# KiCad board FC_V5a.kicad_pcb (continued)
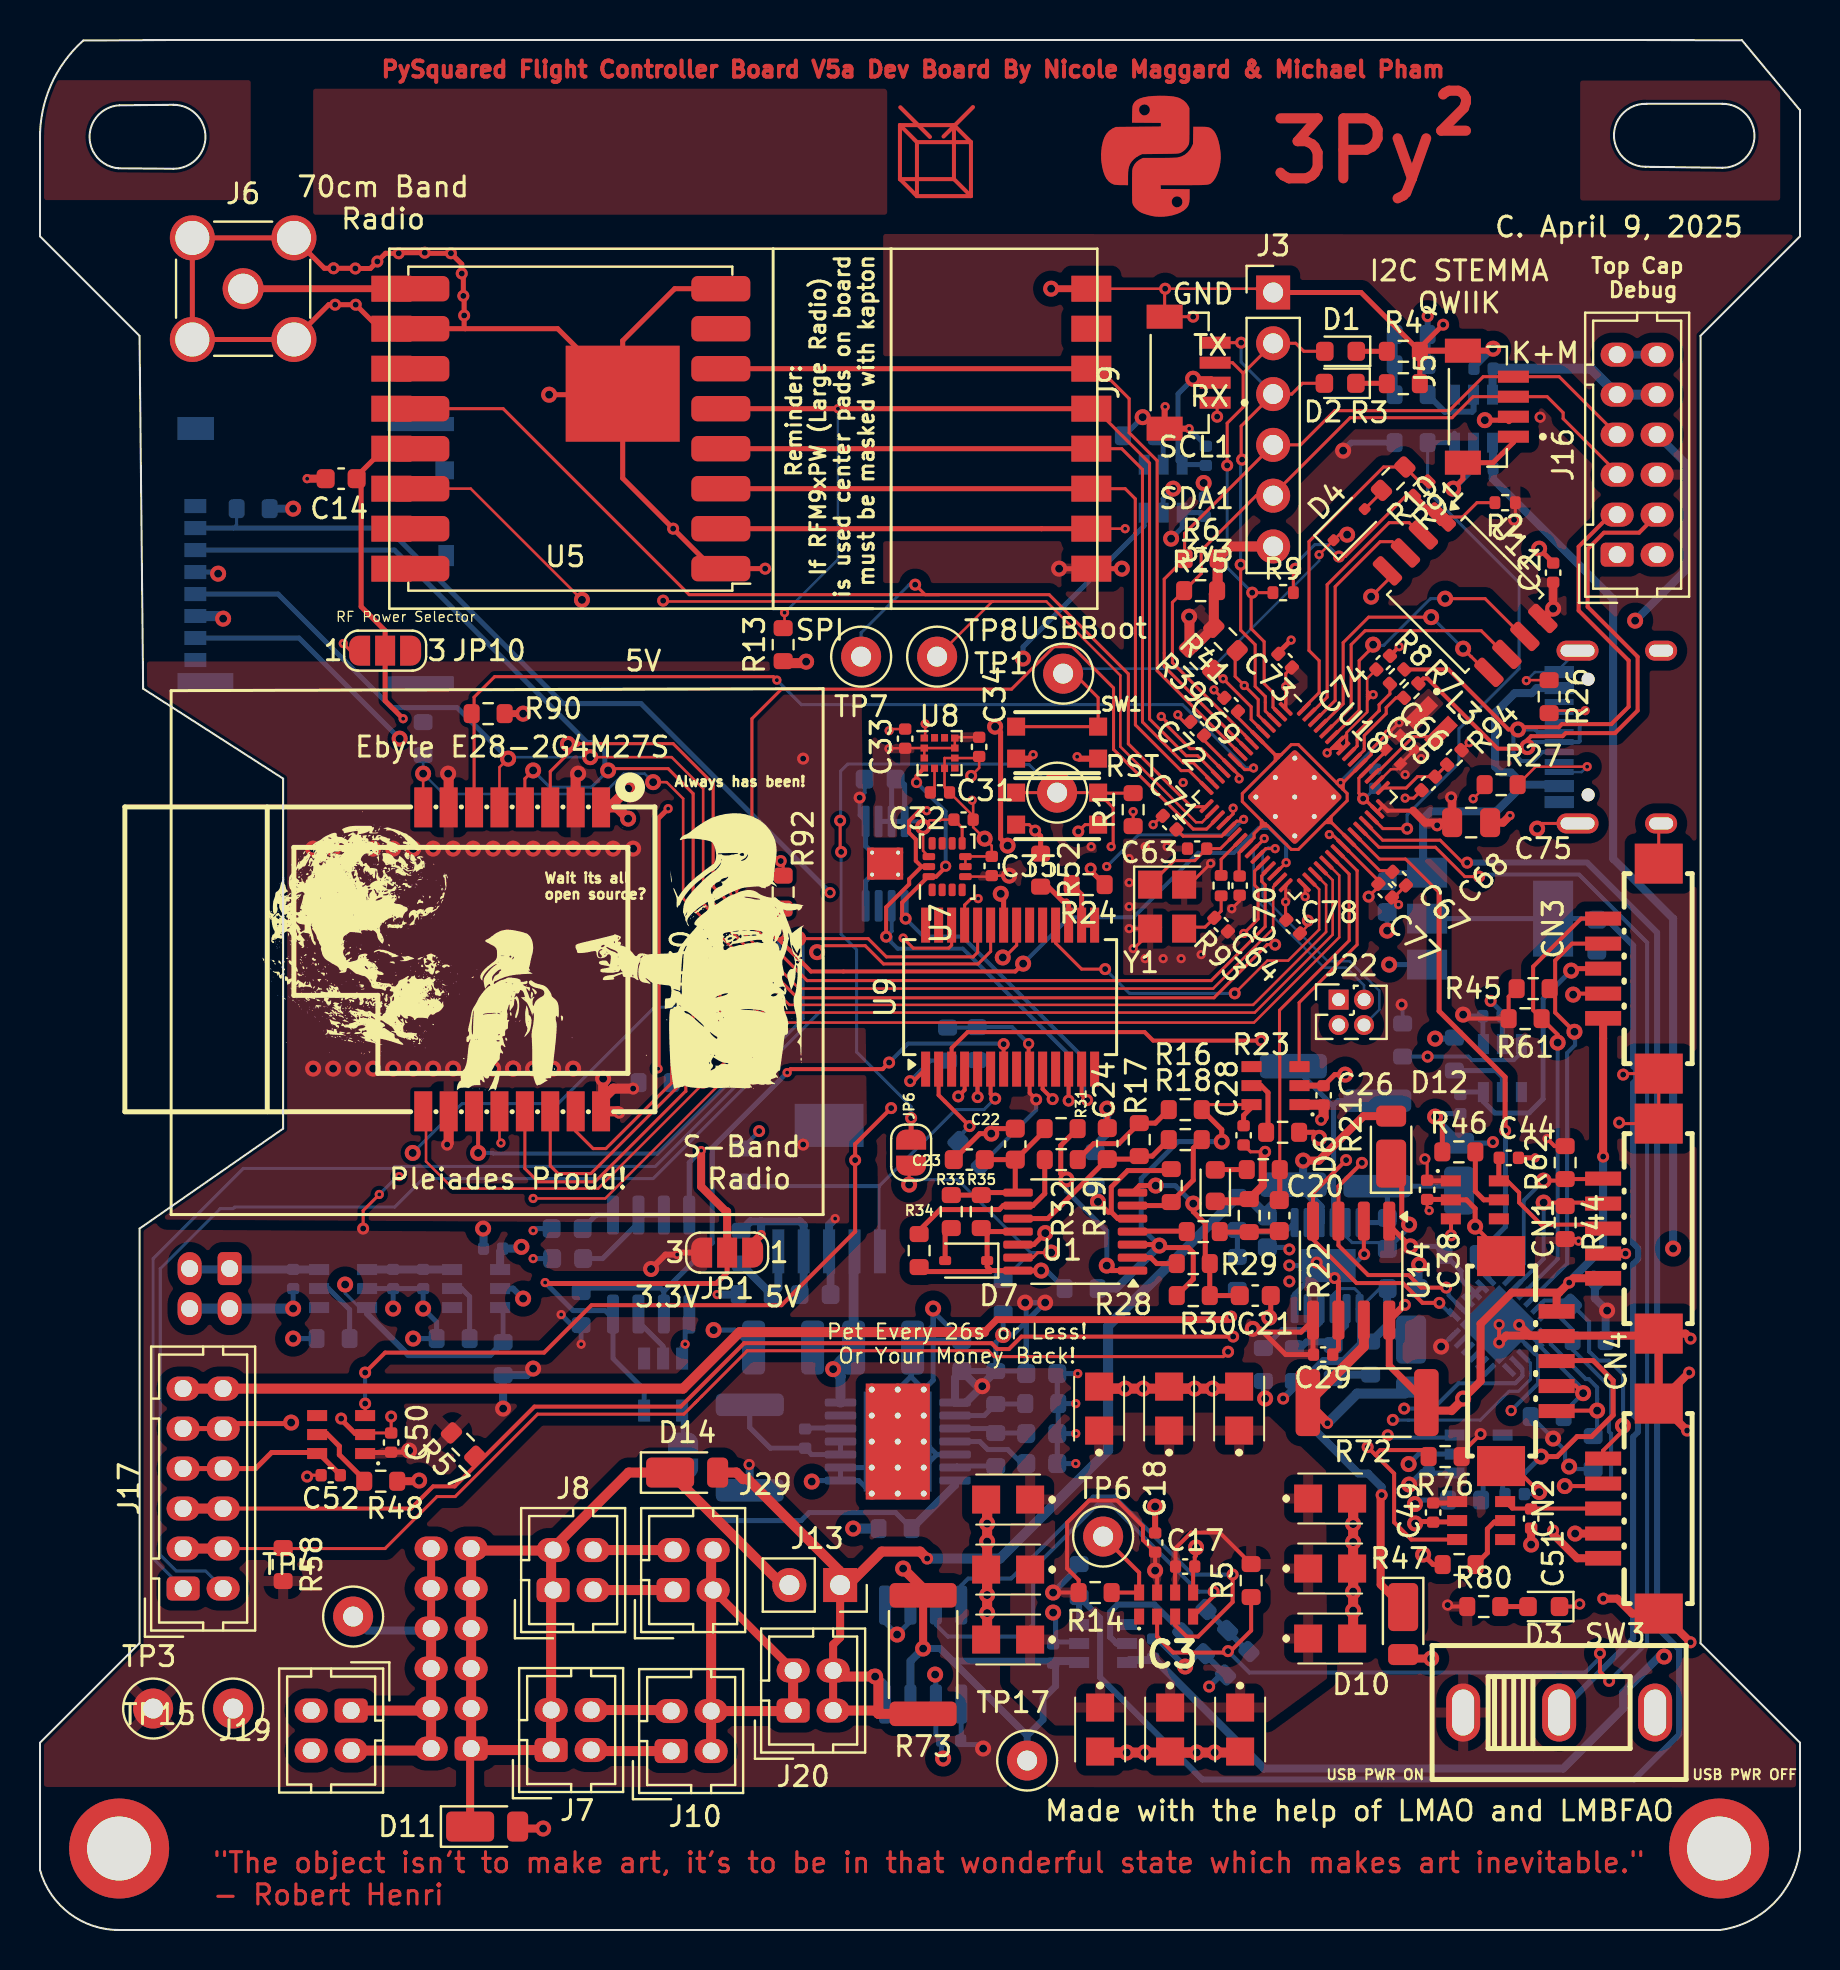
[diagram p0: board, top side]
## Routing (per net, layer and track width the routed paths; a pad name or vN(x,y) marks a point on that pad's centre or on a via; arc(x,y) is an arc through that point) (continued)
RF2_TX_EN: length 58.9
  Top w0.127: U18.34 64.63,52.5 64.63,49.77 60.73,45.87 36.71,45.87 27.91,37.07 20.66,37.07 19.3,38.43 19.3,40.8 U30.9
  Bottom w0.152: R95.1 v2(33.16,42.37)
RF_VCC: length 79.9
  Top w0.25: v3(30.91,43.07) 30.91,55.57 v3(31.41,56.07) ; U5.13 17.57,74.07 U4.5 17.22,74.07 16.06,72.91 16.06,66.17 17.26,64.97 JP10.2 17.26,61.47 v3(18.16,60.57) ; v3(25.26,32.37) 25.3,32.33 33.81,32.33 34.36,32.87 JP1.2
  Top w0.4: v3(33.06,38.97) 33.06,37.17 34.3,35.93 34.36,35.93 JP1.2
  In2.Cu w0.25: v3(31.41,56.07) 31.41,57.67 28.98,60.1 18.63,60.1 v3(18.16,60.57) ; v3(33.06,38.97) 33.06,40.92 v3(30.91,43.07)
  Bottom w0.25: v3(25.26,32.37) 26.66,30.97 28.26,30.97 28.43,30.8 28.65,30.8 28.65,28.58 30.21,27.02 U20.5 ; U17.8 32.46,38.38 v3(33.06,38.97)
RTC_INT: length 84.1
  Top w0.152: U18.41 66.95,54.14 69.77,54.14 71.24,52.67 v2(71.96,52.67)
  Top w0.2: 59.61,14.02 60.56,14.97 R5.1 60.56,16.67 ; 59.61,14.02 59.46,13.87 56.66,13.87 55.86,14.67 IC3.2 ; 59.61,14.02 59.53,13.94 v2(59.4,13.94) ; v2(78,13.83) 78,12.91 v2(78.46,12.46)
  Bottom w0.2: v2(78.46,12.46) 80.36,14.36 80.36,49.37 76.96,52.78 72.06,52.78 v2(71.96,52.67) ; v2(78,13.83) 78,13.61 77.26,12.87 60.47,12.87 v2(59.4,13.94)
RX: length 25
  Top w0.152: U18.3 61.26,60.96 61.26,61.68 60.76,62.19 60.76,64.27 60.03,65 v2(60.03,68.27) ; v2(60.06,79.37) J9.4 ; v2(60.1,73.53) 60.06,73.57 60.06,75.2 J3.3 62.59,76.8 63.13,77.34 D2.2
  Bottom w0.152: J3.3 60.06,78.4 v2(60.06,79.37) ; v2(60.03,68.27) 60.03,73.46 v2(60.1,73.53)
SCL0: length 38.9
  Top w0.152: U18.8 56.21,63.18 56.21,67.55 R6.1 57.23,69.84 J3.4 63.03,74.26 64.74,75.97 70.46,75.97 72.16,77.67 J5.4 75.96,77.67 J16.7
SCL1: length 123.2
  Top w0.127: R39.1 59.06,62.57 v3(59.16,62.57) ; v3(44.26,60.31) 44.26,59.65 U8.1
  Top w0.152: v3(59.16,62.57) 60.56,61.17 60.56,60.53 U18.5
  Top w0.2: IC3.3 56.76,15.25 57.33,14.67 57.91,14.67 59.63,16.4 v2(59.63,17.77) ; 44.08,53.17 43.46,52.55 43.46,52.29 42.31,51.14 v2(42.31,49.67) ; 44.08,53.17 43.79,53.46 43.79,54.54 43.45,54.87 43.45,55.45 43.97,55.97 v3(44.33,55.97) ; 44.08,53.17 U7.13 ; v2(69.97,31.36) 69.13,31.36 68.14,32.35 65.83,32.35 63.65,34.53 U14.4 63.65,36.85 v2(65.31,38.5) ; v2(51.43,41.47) U9.12
  In2.Cu w0.127: v3(44.33,55.97) 42.93,57.37 42.93,58.99 v3(44.26,60.31) 45.45,61.51 55.09,61.51 56.15,62.57 v3(59.16,62.57)
  In2.Cu w0.2: v2(69.97,31.36) 68.81,30.2 68.81,25.3 61.28,17.77 v2(59.63,17.77) ; v2(65.31,38.5) 64.51,37.7 58.11,37.7 57.08,38.72 54.18,38.72 v2(51.43,41.47)
  Bottom w0.2: v2(59.63,17.77) 57.62,17.77 53.72,21.67 52.66,21.67 48.56,17.58 46.41,17.58 46.06,17.22 46.06,16.25 ; U12.19 70.55,30.77 v2(69.97,31.36) ; v2(51.43,41.47) 51.43,43.78 46.14,49.07 42.88,49.07 42.53,49.43 42.53,49.67 v2(42.31,49.67) 42.58,49.95 U16.2
SDA0: length 37.7
  Top w0.152: U18.7 60.59,59.4 60.23,59.76 60.23,59.76 56.62,63.37 56.62,66.39 R25.1 58.06,67.82 58.06,68.97 60.81,71.72 J3.5 61.66,71.77 65.5,75.62 70.6,75.62 71.66,76.67 J5.3 75.36,76.67 76.16,75.87 76.16,75.57 78.86,72.87 J16.5
SDA1: length 122.8
  Top w0.152: U18.4 60.91,60.75 60.91,61.53 59.76,62.69 59.76,63.87 R41.1
  Top w0.2: v2(43.28,50.57) 43.11,50.75 43.11,51.38 44.4,52.67 U7.14 44.81,52.67 45.28,53.15 v4(45.28,53.2) ; v2(66.09,38.36) 64.92,37.19 64.92,34.23 66.41,32.75 68.43,32.75 69.06,32.12 v2(70.31,32.12) ; U8.4 43.83,57.72 v4(43.83,57.38) ; IC3.4 58.68,16.7 v2(58.68,16.91) ; U9.13 52.08,41.77 v2(52.36,41.5)
  In2.Cu w0.152: v3(60.21,62.23) 59.49,61.51 57.62,61.51 57.06,62.07 56.74,62.07 55.74,61.07 46.06,61.07 43.83,58.84 v4(43.83,57.38)
  In2.Cu w0.2: v2(66.09,38.36) 66.09,39.33 63.64,41.78 52.63,41.78 v2(52.36,41.5) ; v2(58.68,16.91) 60.99,16.91 68.76,24.68 68.97,24.68 69.36,25.07 69.36,30 69.48,30.12 69.58,30.12 70.57,31.11 70.57,31.86 v2(70.31,32.12)
  Bottom w0.2: U12.20 70.43,31.74 70.43,32 v2(70.31,32.12) ; U16.1 43.13,51.11 43.13,50.72 v2(43.28,50.57) 44.18,49.67 46.11,49.67 52.21,43.57 52.21,41.65 v2(52.36,41.5) ; v4(45.28,53.2) 45.28,55.93 v4(43.83,57.38) ; v2(58.68,16.91) 57.92,16.91 53.56,21.27 52.87,21.27 49.66,18.06 49.66,15.27 49.06,14.67 45.39,14.67 44.79,15.27 44.79,16.25
SPI0_CS0: length 52.2
  Top w0.127: v3(37.23,65.87) 37.23,65.07 37.16,65
  Top w0.152: U4.13 52.76,76.07 55.48,73.35 55.48,60.55 57.31,58.72 57.88,58.72 58.89,57.7 U18.13
  Top w0.25: U4.13 v3(39.9,76.07) 34.04,76.07 34.04,76.07
  Bottom w0.127: v3(39.9,76.07) 39.9,68.54 v3(37.23,65.87)
SPI0_MISO: length 34.7
  Top w0.127: v3(54.26,70.07) U4.10
  Top w0.152: U18.12 58.06,59.07 57.5,59.07 56.31,60.27 56.31,60.44 v3(56.06,60.68)
  Top w0.25: 34.04,70.07 50.08,70.07 50.08,70.07 U4.10
  In1.Cu w0.127: v3(54.26,70.07) 55.96,68.37 55.96,60.87 56.06,60.76 v3(56.06,60.68)
SPI0_MOSI: length 37.1
  Top w0.152: U4.11 54.26,72.07 54.76,71.57 54.76,69.86 54.76,69.86 54.77,69.84 54.77,60.26 57.06,57.97 57.46,57.97 58.33,57.11 U18.15
  Top w0.25: 34.04,72.07 34.04,72.07 U4.11
SPI0_SCK: length 38.9
  Top w0.152: U18.14 58.61,57.42 57.66,58.37 57.16,58.37 55.12,60.41 55.12,73.04 54.09,74.07 U4.12
  Top w0.25: U4.12 34.04,74.07 34.04,74.07
SPI1_CS0: length 48
  Top w0.152: U30.6 21.7,61.65 22.73,62.67 36.67,62.67 v3(36.84,62.5) ; v3(60.68,58.11) 60.6,58.03 60.23,58.03 U18.10
  Bottom w0.152: v3(60.68,58.11) 60.29,58.11 57.13,61.27 38.07,61.27 v3(36.84,62.5)
SPI1_CS1: length 63.5
  Top w0.152: 59.17,55.32 59.66,55.81 v3(59.66,56.1)
  In2.Cu w0.152: v4(39.5,51.87) 43.08,51.87 46.78,55.57 51.36,55.57 52.22,56.43 59.4,56.43 59.66,56.17 v3(59.66,56.1)
  Bottom w0.152: 9.66,70.1 9.83,70.28 R11.1
  Bottom w0.25: v4(39.5,51.87) 30.05,61.32 26.16,61.32 17.38,70.1 J4.2
SPI1_MISO: length 71.6
  Top w0.152: U30.3 25.51,57.93 26.91,59.32 31.66,59.32 33.66,57.32 33.66,52.17 38.36,47.47 58.56,47.47 61.26,50.17 61.26,52.26 61.08,52.44 61.08,52.71 61.26,52.88 61.26,52.91 U18.27
  Top w0.25: v1(26.39,59.31) 26.89,59.31 26.91,59.32
  In2.Cu w0.25: v1(17.98,59.57) 26.13,59.57 v1(26.39,59.31)
  Bottom w0.25: J4.7 12.95,64.6 v1(17.98,59.57)
SPI1_MOSI: length 78.1
  Top w0.152: U18.31 63.26,52.18 v3(63.26,51.67) ; v2(61.76,49.27) 61.36,49.27 58.7,46.62 37.87,46.62 32.66,51.82 32.66,56.82 31.41,58.07 28.5,58.07 v1(28.41,57.98) ; v1(24.66,57.98) 24.24,57.57 U30.4
  In2.Cu w0.152: v2(61.76,49.27) 61.76,50.17 v3(63.26,51.67)
  Bottom w0.152: v1(24.66,57.98) 25.49,57.15 27.57,57.15 v1(28.41,57.98)
  Bottom w0.25: J4.3 17.73,69 27.36,59.37 27.81,59.37 28.24,58.95 28.24,58.15 v1(28.41,57.98) 28.25,57.98
SPI1_SCK: length 71.6
  Top w0.127: v1(27.51,58.65) 31.58,58.65 33.16,57.07 33.16,51.87 37.96,47.07 58.66,47.07 61.66,50.07 61.66,52.16 61.99,52.5 ; U30.5 22.97,58.14 v1(23.41,58.57)
  Bottom w0.127: v1(23.41,58.57) 23.48,58.65 v1(27.51,58.65)
  Bottom w0.25: J4.5 11.9,66.8 17.58,61.13 20.86,61.13 v1(23.41,58.57)
SWCLK: length 12.1
  Top w0.152: v3(61.21,54.58) 61.21,54.57 61.15,54.51 61.15,54.5 U18.24
  Bottom w0.127: v3(61.21,54.58) 61.21,54.58 61.18,54.55 61.18,54.5 60.68,54 60.68,51.65 64.21,48.12 65.31,48.12 66.2,47.23 66.2,46.52
SWDIO: length 13.8
  Top w0.152: v3(61.76,54.07) 61.29,54.07 U18.25
  Bottom w0.127: 66.2,45.25 66.97,46.02 66.97,46.96 65.48,48.45 64.38,48.45 61.14,51.69 61.14,53.85 61.41,54.13 61.7,54.13 v3(61.76,54.07)
TX: length 26.1
  Top w0.152: 60.16,77.84 J3.2 62.79,79.34 63.19,78.94 D1.2 ; 60.16,77.84 59.63,78.37 J9.3 ; 60.16,77.84 60.16,76.15 59.36,75.35 v2(59.36,73.24) ; R9.1 v2(60.61,66.87) 60.56,66.82 60.56,65.07 61.21,64.42 61.21,62.32 61.65,61.88 61.65,61.14 U18.2
  Bottom w0.152: v2(59.36,73.24) 59.36,68.13 60.61,66.88 v2(60.61,66.87)
USB_D+: length 31.2
  Top w0.2: J16.3 78.53,70.77 76.93,69.17 76.93,65.98 79.43,63.48 79.43,61.17 78.56,60.3 76.1,60.3 75.94,60.15 74.17,60.15 74.05,60.03 v1(73.9,60.03) 73.42,60.03 70.42,63.04 R8.2
  Bottom w0.2: v1(73.9,60.03) 73.67,59.81 73.67,58.86 74.08,58.45 74.66,58.45 75.11,58.9 J12.B6 ; v1(73.9,60.03) 74.76,60.03 74.89,59.9 J12.A6 ; v1(73.9,60.03) 74.12,59.81 ; J16.3 78.51,70.77
USB_D-: length 31.5
  Top w0.2: J16.4 79.96,69.87 78.2,69.87 77.38,69.06 77.38,66.17 79.88,63.67 79.88,60.98 78.75,59.85 76.28,59.85 76.13,59.7 74.55,59.7 74.37,59.51 v1(74.37,59.15) 74.29,59.07 72.88,59.07 69.37,62.59 69.17,62.59 R7.2
  Bottom w0.2: J12.B7 76.94,60.4 76.99,60.35 76.99,59.45 76.94,59.4 J12.A7 74.62,59.4 v1(74.37,59.15)
USB_DM: length 4.3
  Top w0.152: U18.51 66.21,59 66.21,59.73 67.31,60.83 67.31,61.13 67.8,61.61 R7.1
USB_DP: length 4.4
  Top w0.152: R8.1 67.5,61.81 66.96,61.27 66.96,60.97 65.86,59.87 65.86,59.21 U18.52
USBBOOT: length 38.8
  Top w0.127: v3(63.96,68.77) D4.1 64.96,69.77 v1(65.36,69.77)
  Top w0.152: 51.46,63.07 52.91,61.62 SW1.A SW1.A'
  In2.Cu w0.127: v1(65.36,69.77) 66.86,68.27 78.36,68.27 J16.1
  Bottom w0.127: 51.46,63.07 58.57,63.07 63.96,68.46 v3(63.96,68.77)
V_BACKUP: length 7
  Top w0.2: IC3.6 56.76,18.15 C17.1 56.78,19.09 57.56,19.87 58.98,19.87 60.56,18.3
V_RBF: length 21.8
  Top w0.4: J20.3 37.66,13 J29.2
  Top w0.5: J10.4 33.56,19 ; J10.4 J10.2 ; J10.4 37.63,10.95 J20.1 J20.3
VSOLAR: length 109.8
  Top w0.342: R72.2 67.46,28.23 67.46,30.5 68.22,31.26 v2(68.25,31.26) ; 47.21,29.9 47.84,30.52 59.41,30.52 v2(59.56,30.67)
  Top w0.4: CN2.1 76.86,18.59 75.66,19.79 v2(75.66,19.97) ; CN4.1 75.83,31.75 75.96,31.87 ; CN1.1 76.67,32.59 75.96,31.87 ; 70.59,25.95 71.16,26.52 v1(71.16,26.58) ; R72.2 69.72,25.97 70.56,25.97 v1(71.16,26.58) ; v1(71.16,26.58) 72.03,27.45 72.03,30.31 73.59,31.87 75.96,31.87 ; CN3.1 v2(78.16,38.67)
  Top w0.5: 47.21,29.9 34.98,29.9 32.16,27.07 J17.12 J17.11
  In2.Cu w0.342: v2(68.25,31.26) 68.11,31.4 60.28,31.4 v2(59.56,30.67)
  In2.Cu w0.4: v1(71.16,26.58) 71.16,24.48 v2(75.66,19.97)
  Bottom w0.4: v2(78.16,38.67) 78.16,34.11 76.46,32.41 v2(76.46,32.37)
VSOLAR_I: length 11.7
  Top w0.5: v4(64.37,25.34) 63.39,26.32 R72.1 66.19,29.17 66.19,30.5
  Bottom w0.5: v4(64.37,25.34) 65.86,26.83 68.23,26.83 68.56,27.15
WDT_BIAS: length 24
  Top w0.152: R16.1 58.34,41.27 U3.6
  Top w0.25: U3.6 60.58,41.13 60.18,40.74 60.18,40.22 ; R30.1 57.66,32.55 57.66,33.87 57.41,34.12 56.06,34.12 v1(55.96,34.22) 55.91,34.27 U1.3 ; R16.1 59.09,40.02 v1(59.09,39.42)
  Bottom w0.25: v1(59.09,39.42) 56.91,39.42 55.06,37.58 55.06,35.13 v1(55.96,34.22)
  Bottom w0.4: R36.2 53.81,32.07 v1(55.96,34.22)
WDT_ENABLE: length 12.4
  Top w0.152: 65.86,52.97 65.85,52.97 ; 65.85,52.97 65.85,49.27 62.96,46.37 62.96,43.19 U3.3 ; 65.85,52.97 U18.37
WDT_WDI: length 19
  Top w0.152: R21.1 61.99,43.66 61.97,43.68 61.97,45.99 65.46,49.47 65.46,52.8 U18.36
  Top w0.25: 61.96,36.5 61.99,36.52 R21.1
Z_GPIO0: length 70.4
  Top w0.152: U9.23 47.53,48.93 46.91,48.31 42.17,48.31 41.26,49.22 39.18,49.22 v1(38.86,48.9)
  Bottom w0.152: J17.2 8.28,17.95 6.81,17.95 6.01,18.76 6.01,33.07 9.02,36.07 9.66,36.07 9.73,36.15 17.73,36.15 19.16,37.57 30.66,37.57 39.16,46.07 39.16,48.6 v1(38.86,48.9)
Z_GPIO1: length 69.5
  Top w0.152: v1(37.91,49.57) 41.41,49.57 42.32,48.66 46.66,48.66 46.88,48.89 U9.24
  Bottom w0.152: v1(37.91,49.57) 38.16,49.32 38.16,45.57 30.76,38.18 17.75,38.18 17.65,38.08 10.17,38.08 5.66,33.57 5.66,18.57 J17.1
~{CHARGE}: length 4
  Bottom w0.25: IC6.4 64.03,30.37 63.68,30.02 62.11,30.02 61.47,29.38 61.47,29.1
~{ENABLE_Heater}: length 55.6
  Top w0.152: 48.83,50.25 48.83,49.24 48.22,48.63 v1(48.14,48.63) ; 18.86,38.86 v1(18.64,38.86)
  In2.Cu w0.152: v1(36.04,46.15) 36.47,46.57 46.08,46.57 v1(48.14,48.63) ; v1(18.64,38.86) 18.64,35.66 v1(15.26,32.28)
  Bottom w0.152: v1(36.04,46.15) 30.73,46.15 25.91,41.32 21.1,41.32 v1(18.64,38.86) ; v1(15.26,32.28) 15.26,31.84 15.98,31.12 U28.3
  Bottom w0.25: R79.2 23.16,30.97 U27.3
  Bottom w0.3: R79.2 22.51,28.75 18.42,28.75 16.36,30.81 U28.3
~{FACE0_ENABLE}: length 33.1
  Top w0.2: v2(46.48,40.2) 44.93,41.75 U9.2 ; 70.54,35.56 70.55,35.55 v2(70.55,34.74)
  In2.Cu w0.2: v2(70.55,34.74) 70.55,35.63 69.68,36.51 68.7,36.51 67.76,35.57 52.21,35.57 48.66,39.12 47.27,39.12 46.48,39.92 v2(46.48,40.2)
  Bottom w0.2: v2(46.48,40.2) 45.9,39.62 R67.2
~{FACE1_ENABLE}: length 32.4
  Top w0.2: U9.3 45.58,44.1 46.38,44.9 55.23,44.9 55.66,44.47 v2(61.06,44.47)
  In2.Cu w0.2: v2(69.38,43.67) 62.22,43.67 61.42,44.47 v2(61.06,44.47)
  Bottom w0.152: 74.14,44.37 U21.3
  Bottom w0.2: 74.07,44.3 74.07,43.87 73.7,43.5 71.59,43.5 71.42,43.67 v2(69.38,43.67) R68.2
~{FACE2_ENABLE}: length 42.4
  Top w0.152: 71.08,19.52 U22.3
  Top w0.2: R76.2 69.11,24 67.01,24 66.77,23.76 ; v2(45.91,41.69) 46.23,42.01 U9.4 ; 66.77,23.76 67.71,22.82 67.71,20.39 68.57,19.52 U22.3 ; 66.77,23.76 v2(66.38,24.15)
  In2.Cu w0.2: v2(66.38,24.15) 62.76,27.78 57.79,27.78 52.64,32.93 52.64,33.47 48.6,37.5 47.58,37.5 45.36,39.72 45.36,41.13 v2(45.91,41.69)
~{FACE3_ENABLE}: length 37.2
  Top w0.2: U9.5 v2(46.88,41.65)
  In2.Cu w0.2: v2(46.88,41.65) 45.76,40.53 45.76,40.05 47.91,37.9 48.77,37.9 52.62,34.05 53.5,34.05 54.31,33.25 54.31,32.52 58.52,28.31 63.74,28.31 67.32,24.74 v2(67.39,24.74)
  Bottom w0.2: R78.2 46.86,41.67 v2(46.88,41.65) ; v2(67.39,24.74) 67.5,24.62 70.61,24.62 U24.3
~{FACE4_ENABLE}: length 41.5
  Top w0.152: v2(16.26,26.32) 16.26,25.78
  Top w0.2: v2(43.51,42.45) 43.68,42.45 U9.1 ; v2(42.56,41.1) 40.76,39.3 v2(40.76,38.5) 40.76,34.92 37.08,31.24 27.58,31.24 25.21,28.87 17.26,28.87 v2(16.26,27.87)
  In2.Cu w0.2: v2(42.56,41.1) 42.56,41.5 v2(43.51,42.45)
  Bottom w0.2: R77.2 44.53,43.47 v2(43.51,42.45) ; v2(16.26,27.87) v2(16.26,26.32)
~{FIRE_DEPLOY1_A}: length 95.4
  Top w0.152: U18.42 66.3,55.33 67.13,54.5 70.01,54.5 71.13,53.37 v2(71.36,53.37)
  Bottom w0.3: v2(71.36,53.37) 77.36,53.37 80.86,49.87 80.86,15.14 81.96,14.04 81.96,9.78 79.7,7.52 58.12,7.52 53,12.64 53,15.6 R84.1 ; R84.1 U25.3 ; R84.1 52.08,16.78
~{FIRE_DEPLOY1_B}: length 27.3
  Top w0.152: v2(68.36,55.07) 67.15,55.07 U18.43
  Bottom w0.152: v2(68.36,55.07) 68.36,55.77 70.95,58.36 70.95,60.07 73.96,63.07 73.96,67.37 69.38,71.95 R85.1
  Bottom w0.25: R85.1 U26.3 70.73,74.85
~{GPIO_EXPANDER_RESET}: length 19.1
  Top w0.127: v2(59.74,46.84) 61.37,48.47 62.41,48.47 63.96,50.03 63.96,52.04 U18.32
  Top w0.152: v2(53.26,48.05) 52.08,48.05 50.78,49.35 U9.18
  Bottom w0.152: v2(53.26,48.05) 54.47,46.84 v2(59.74,46.84)
~{MUX_RESET}: length 27
  Top w0.152: U18.40 66.97,53.55 68.28,53.55 69.96,51.87
  Top w0.25: 69.96,51.87 69.96,45.95 73.26,42.65 v2(73.26,39.97)
  Bottom w0.25: U12.24 72.46,32.57 71.88,33.15 R15.2 73.27,35.17 73.27,39.96 v2(73.26,39.97)
~{PAYLOAD_PWR_ENABLE}: length 24.4
  Top w0.25: v1(47.76,60.17) 48.03,59.9 48.03,54.57 v1(48.38,54.22) ; U9.22 48.18,51.67 v1(48.04,51.82)
  In1.Cu w0.25: v1(49.15,63.58) 47.76,62.18 v1(47.76,60.17)
  In2.Cu w0.25: v1(48.04,51.82) 47.73,52.12 47.73,53.58 v1(48.38,54.22)
  Bottom w0.25: v1(49.15,63.58) 49.15,64.16 55.21,70.21 U29.3
Net-(C20-Pad2): length 3
  Top w0.25: R28.1 59.01,34.9 R22.1 60.51,34.95 C20.2
Net-(C64-Pad1): length 2.4
  Top w0.152: R93.2 59.06,50.95 58.25,50.15 57.73,50.15
Net-(D1-K): length 1.5
  Top w0.25: D1.1 R4.1
Net-(D2-K): length 1.6
  Top w0.25: R3.1 67.32,77.34 D2.1
Net-(D3-A): length 1.4
  Top w0.25: R80.2 D3.2
Net-(D4-A): length 1.2
  Top w0.152: D4.2 67.07,71.89
Net-(D6-A): length 1.5
  Top w0.25: R21.2 58.85,38.02
Net-(D7-Pad2): length 1.8
  Top w0.25: R33.1 45.26,34.79 D7.2
Net-(D10-K): length 28.7
  Top w0.4: 68.16,16.15 67.03,17.27 67.03,21.7 v2(67.08,21.75)
  Bottom w0.152: C40.1 66.98,32.07 IC6.1 65.98,31.82 65.72,32.07 64.96,32.07 64.68,31.8 IC6.3
  Bottom w0.4: 67.36,30.22 67.36,32.05 C40.1 ; 67.36,30.22 66.66,29.52 ; 67.36,30.22 68.06,29.52 D9.1 ; v2(67.08,21.75) 67.08,22.15 66.41,22.82 65.92,22.82 63.69,25.06 63.69,27.96 64.18,28.45 65.19,28.45 66.06,29.32 66.06,29.4 ; 66.77,29.41 66.66,29.52 ; 66.66,29.52 66.18,29.52 66.06,29.4 ; 66.06,29.4 66.06,31 IC6.1
Net-(D12-K): length 8.1
  Top w0.25: D12.1 68.09,37.79 68.09,35.64 v1(68.46,35.27)
  Bottom w0.152: IC6.11 65.33,34.65 65.61,34.37 67.05,34.37 C41.2
  Bottom w0.25: v1(68.46,35.27) 68.46,35.15 C41.2
Net-(D13-K): length 7.5
  Bottom w0.25: IC6.12 67.13,35.37 C41.1 67.37,36.7 L2.1 70.74,37.2 D13.1
Net-(IC3-EVI): length 4.9
  Top w0.2: R14.1 IC3.8 54.96,17.87 TP6.1
Net-(IC6-SENSE): length 11.3
  Bottom w0.25: 67.17,41.47 64.9,41.47 64.65,41.21 ; 64.65,41.21 64.68,41.18 IC6.10 ; 64.65,41.21 R75.2
Net-(IC6-VFB): length 4.4
  Bottom w0.25: R71.1 R74.2 ; 59.87,34.91 62.27,34.91 IC6.7
Net-(IC6-VIN_REG): length 3.8
  Bottom w0.25: 64.52,29.26 64.52,29.41 65.33,30.22 IC6.2
  Bottom w0.342: 64.52,29.41 63.32,29.41 63.02,29.1
Net-(J10-Pin_1): length 4
  Top w0.5: J7.2 27.61,8.95 J10.1
Net-(J10-Pin_3): length 4
  Top w0.5: J7.4 31.51,11 J10.3
Net-(J12-CC1): length 3.2
  Top w0.127: 75.46,60.85 75.58,60.97 v3(77.26,60.97)
  Bottom w0.127: J12.A5 76.03,60.97 v3(77.26,60.97)
Net-(J12-CC2): length 5.4
  Top w0.127: R27.2 74.78,58.17 v3(77.36,58.17)
  Bottom w0.127: v3(77.36,58.17) 77.09,57.9 J12.B5
Net-(J29-Pin_1): length 4
  Top w0.5: 27.56,17 31.56,17
Net-(J29-Pin_3): length 4
  Top w0.5: 31.56,19 27.56,19
Net-(JP2-A): length 1.6
  Bottom w0.25: JP2.1 32.16,25.92 U20.4
Net-(JP2-B): length 16.9
  Bottom w0.25: R124.2 42.78,20.88 38.46,20.88 38.06,20.47 33.76,20.47 32.16,22.07 JP2.2
  Bottom w0.4: U10.7 45.75,22.24 R124.2
Net-(JP6-A): length 13.4
  Top w0.152: U1.13 49.64,33.62 49.89,33.87 v1(50.56,33.87) ; v1(43.46,37.27) 43.46,38.12 JP6.1
  Bottom w0.152: v1(43.46,37.27) 43.7,37.52 45.88,37.52 49.53,33.87 ; 49.53,33.87 R37.1 ; 49.53,33.87 v1(50.56,33.87)
Net-(R16-Pad2): length 5.6
  Top w0.25: R32.2 52.69,39.32 53.94,39.32 R17.1 55.76,40.35 R16.2
Net-(R29-Pad1): length 2.3
  Top w0.25: R29.1 55.84,33.32 55.54,33.62 U1.2
Net-(R31-Pad1): length 9.9
  Top w0.25: v1(53.34,33.22) 53.59,32.97 U1.1 ; 51.06,37.27 v1(51.32,37.53) 51.04,37.82 51.04,39.23 R31.1
  Bottom w0.25: v1(53.34,33.22) 53.34,34.95 51.32,36.96 v1(51.32,37.53)
Net-(R65-Pad2): length 1.9
  Bottom w0.4: R66.1 64.83,27.77 R65.2
Net-(R81-Pad2): length 3
  Bottom w0.3: R82.2 60.41,13.92 R81.2
Net-(R86-Pad2): length 3
  Bottom w0.3: R86.2 R87.2 R88.2
Net-(U1A--): length 2.7
  Top w0.25: R28.2 57.31,34.95 54.65,34.95 U1.4
Net-(U1B-+): length 9.9
  Top w0.25: U1.7 54.98,37.22 v1(55.78,37.22) ; 59.89,31.72 R30.2 R29.2 58.26,33.55 58.26,35.32 57.66,35.92 v1(57.66,36.32)
  Bottom w0.25: v1(55.78,37.22) 56.76,37.22 v1(57.66,36.32)
Net-(U1B--): length 5.8
  Top w0.25: R18.2 57.66,39.1 57.66,37.5 R19.1 56.39,36.22 U1.6
Net-(U1C-+): length 8.9
  Top w0.25: R32.1 50.24,36.82 49.64,36.22 U1.9 48.16,36.22 47.96,36.02 45.01,36.02 43.96,34.97 43.96,34.8
Net-(U1C--): length 8.7
  Top w0.25: C22.2 48.76,37.01 U1.8 47.19,36.87 R35.2 R33.2 ; C22.2 48.79,38.52 50.26,40 ; C22.2 C23.2
Net-(U1D-+): length 12
  Top w0.25: U1.11 47.24,34.92 R35.1 47.36,34.81 D7.1 47.36,33.17 47.56,32.97 ; R34.2 44.18,32.92 47.51,32.92 47.56,32.97 ; 47.56,32.97 U1.14 v1(50.06,32.97)
  Bottom w0.25: v1(50.06,32.97) 50.33,32.97 R36.1
Net-(U1D--): length 9.2
  Top w0.25: U1.10 50.39,35.57 C24.2 54.81,38.55 R17.2 55.61,38.7 R18.1
Net-(U3-ILIM): length 3
  Top w0.25: U3.5 61.05,42.22 61.4,41.87 61.4,39.98 R23.2
Net-(U8-C1): length 1.3
  Top w0.127: C31.1 44.73,57.09 U8.5
Net-(U9-A0): length 2.9
  Top w0.25: R24.2 52.08,51.77 U9.16 U9.15
Net-(U9-A2): length 2.8
  Top w0.25: U9.17 51.43,51.35 51.33,51.45 51.13,51.45 50.41,52.17 R52.2
Net-(U10-PG): length 2.1
  Bottom w0.25: R43.1 45.83,23.2 U10.6
Net-(U10-SS): length 4
  Bottom w0.25: C36.1 49.09,23.32 48.39,24.02 47.39,24.02 46.99,24.42 U10.4
Net-(U10-SW1): length 6.9
  Bottom w0.25: U10.11 U10.10 38.58,23.77 C27.1 36.52,24.09 35.49,25.12 L1.1
Net-(U10-VBST): length 1.8
  Bottom w0.25: 38.19,25.1 40,25.1 U10.12
Net-(U10-VFB): length 3.8
  Bottom w0.25: R40.2 49.24,26.3 R38.1 47.21,25.72 U10.2
Net-(U10-VREG5): length 3.7
  Bottom w0.25: C37.1 49.29,24.85 R43.2 47.56,25.07 U10.3
Net-(U13-SENSE/ADJ): length 4.5
  Bottom w0.4: R63.2 35.06,33.3 R64.1 36.92,32.11 U13.5
Net-(U17-CV): length 1.8
  Bottom w0.25: C46.1 27.81,35.75 U17.5
Net-(U17-DIS): length 5.2
  Bottom w0.25: C45.1 28.13,33.57 29.92,35.37 29.92,35.75 U17.7
Net-(U17-Q): length 2.7
  Bottom w0.25: U20.2 31.16,29.18 29.92,30.42 29.92,30.8
Net-(U19-ILIM): length 3.3
  Top w0.25: R46.2 71.77,36.94 72.19,36.51 U19.5
Net-(U21-ILIM): length 3.3
  Bottom w0.25: U21.5 73.12,42.65 72.79,42.97 R51.2
Net-(U22-ILIM): length 3
  Top w0.25: R47.2 72.37,18.86 72.37,20.05 72.72,20.4 73.19,20.4
Net-(U23-ILIM): length 3.6
  Top w0.25: 13.86,24.83 14.33,24.83 14.97,24.19 14.97,23.76 16.21,22.52 R48.2
Net-(U24-ILIM): length 3.1
  Bottom w0.25: U24.5 72.38,23.8 72.16,23.57 72.16,21.5
Net-(U25-ILIM): length 7.1
  Bottom w0.25: 54.01,14.45 54.48,14.45
  Bottom w0.3: R81.1 55.72,16.27 53.88,16.27 53.51,15.9 53.51,14.65 53.83,14.32 U25.5
Net-(U26-ILIM): length 3.5
  Bottom w0.3: R88.1 70.23,75.92 71.61,75.92 71.68,75.99 U26.5
Net-(U27-ILIM): length 3.1
  Bottom w0.25: U27.5 21.08,32.07 21.48,31.68 R55.2
Net-(U28-ILIM): length 3.4
  Bottom w0.25: R54.2 15.48,31.03 14.43,32.07 U28.5
Net-(U29-ILIM): length 1.6
  Bottom w0.25: R50.2 56.16,74.35 U29.5

## Copper pours and planes (outline as drawn; the poured copper is in the pictures)
3.3V on Top: -3.35,84.83 90.01,84.78 90.01,8 88.58,7.13 -3.37,7.16 -3.35,7.17
3.3V on In2.Cu: -3.35,96.87 89.78,96.87 89.78,-1.77 88.65,-2.9 2.38,-2.9 -3.42,2.9 -3.42,96.8
+1V1 on Top: 69.51,62.22 67.16,59.87 67.96,59.07 70.31,61.42
GND on Top: 54.16,54.57 54.16,47.47 61.16,47.47 61.16,54.57
GND on Top: 68.76,59.57 67.46,58.27 68.26,57.47 69.56,58.77
GND on Top: -3.46,63.43 -3.34,35.57 41.41,35.32 41.06,63.67
GND on Bottom: 63.07,30.23 62.17,30.23 62.17,34.33 66.67,34.33 66.67,32.13 63.07,32.13
GND on Bottom: -3.27,84.8 89.63,84.8 89.63,7.96 88.8,7.13 -0.18,7.13 -3.5,10.45 -3.5,84.57
GND on In1.Cu: -3.57,96.94 90.01,96.94 90.01,-2.52 89.78,-2.75 2.84,-2.75 -3.57,3.66
VBUSP on Bottom: 37.66,31.07 37.66,25.57 41.66,25.57 41.66,31.07
(no net) on Top: 10.54,86.5 0.04,86.5 0.04,92.5 10.54,92.5
(no net) on Top: 87.01,86.48 77.01,86.48 77.01,92.48 87.01,92.48
(no net) on Top: 13.66,92.07 13.66,85.77 42.36,85.77 42.36,91.97 42.26,92.07
V_BACKUP on Top: 64.31,22.97 64.36,12.57 61.16,10.22 50.76,10.22 48.51,12.37 48.51,22.77 51.26,25.87 61.26,25.87

## Text on the board
B.Silkscreen: 3v3 Reg | JLCJLCJLCJLC | Hubble Space Telescope / Nebulosity in The Pleiades
Top: PySquared Flight Controller Board V5a Dev Board By Nicole Maggard & Michael Pham | {dblquote}The object isn't to make art, it's to be in that wonderful state which makes art inevitable.{dblquote} / - Robert Henri | 2 | 3Py
F.Mask: PySquared Flight Controller Board V5a Dev Board By Nicole Maggard & Michael Pham | {dblquote}The object isn't to make art, it's to be in that wonderful state which makes art inevitable.{dblquote} / - Robert Henri | 2 | 3Py
F.Silkscreen: RF Power Selector | USB PWR ON | USB PWR OFF | Wait its all / open source? | Always has been! | Pet Every 26s or Less! / Or Your Money Back! | Top Cap / Debug | Reminder: / If RFM9xPW (Large Radio) / is used center pads on board / must be masked with kapton | Ebyte E28-2G4M27S | Pleiades Proud! | 5V | 3.3V | SPI | USBBoot | Made with the help of LMAO and LMBFAO | RST | SCL1 | SDA1 | GND | 3v3 | RX | TX | C. April 9, 2025 | 70cm Band / Radio | S-Band / Radio | I2C STEMMA / QWIIK | K+M
